# EAGLE board Mk4 Final a Panel score 2x5 (EAGLE 9.0.1), part 13 of 29
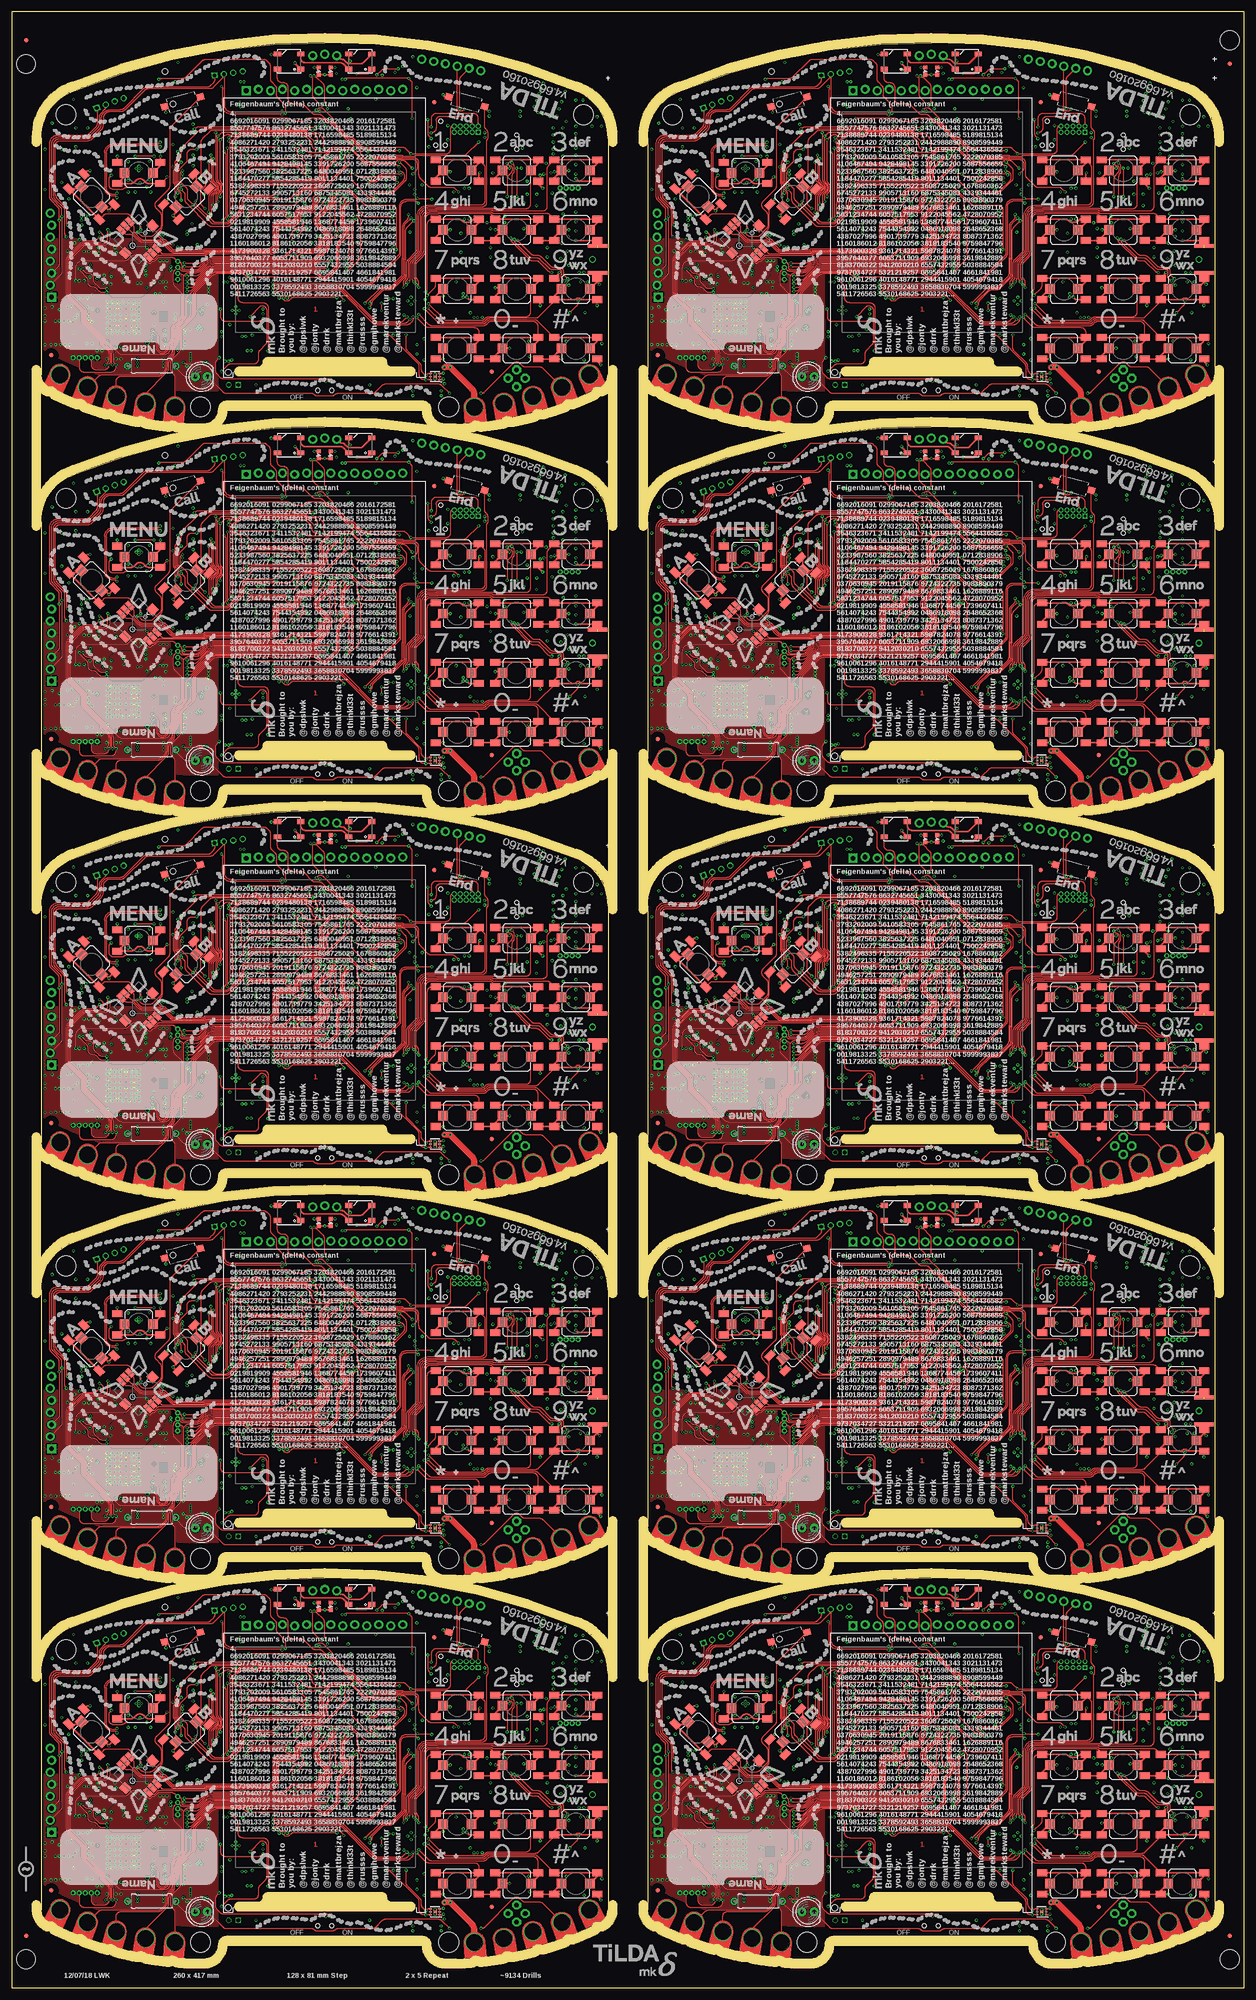
[diagram p0: board, top side]
## Tracks (layer width: path | path; a pad name or v marks a point on that pad's centre or on a via) (continued)
FLASH_!CS4  (via drill 0.3) (continued)
  Top 0.15: v19.75,180.5 20.23,180.98 arc45 20.52,181.69 20.52,182.73 arc45 20.23,183.44 18.9,184.78 arc-45 18.83,184.95 18.83,185.22 arc45 18.75,185.4 15.31,188.84 arc-45 14.8,190.07 14.8,191.29 arc45 14.51,191.99 12.01,194.49 arc-45 11.5,195.73 11.5,202.47 arc-45 12.01,203.71 14.46,206.16 arc-45 15.7,206.68 17.26,206.68 arc45 17.97,206.97 v18.5,207.5
  Bottom 0.15: JP42.3 15.48,180.5 arc90 16.48,179.5 18.34,179.5 arc45 19.04,179.79 v19.75,180.5 20.28,181.03 arc45 20.58,181.74 20.58,184.94 arc-45 20.63,185.08 20.72,185.16 arc45 20.77,185.3 20.77,185.66 20.75,185.68 IC83.14
  Bottom 0.2: R379.1 16.5,206.22 IC84.1 17.34,206.34 v18.5,207.5
FLASH_!CS5  (via drill 0.3)
  Top 0.15: v147.75,180.5 148.23,180.98 arc45 148.53,181.69 148.53,182.73 arc45 148.23,183.44 146.9,184.78 arc-45 146.82,184.95 146.82,185.22 arc45 146.75,185.4 143.31,188.84 arc-45 142.8,190.07 142.8,191.29 arc45 142.51,191.99 140.01,194.49 arc-45 139.5,195.73 139.5,202.47 arc-45 140.01,203.71 142.46,206.16 arc-45 143.7,206.68 145.26,206.68 arc45 145.97,206.97 v146.5,207.5
  Bottom 0.15: JP51.3 143.48,180.5 arc90 144.48,179.5 146.34,179.5 arc45 147.04,179.79 v147.75,180.5 148.28,181.03 arc45 148.57,181.74 148.57,184.94 arc-45 148.63,185.08 148.72,185.16 arc45 148.78,185.3 148.78,185.66 148.75,185.68 IC101.14
  Bottom 0.2: R457.1 144.5,206.22 IC102.1 145.34,206.34 v146.5,207.5
FLASH_!CS6  (via drill 0.3)
  Top 0.15: v19.75,261.5 20.23,261.98 arc45 20.52,262.69 20.52,263.73 arc45 20.23,264.44 18.9,265.77 arc-45 18.83,265.95 18.83,266.22 arc45 18.75,266.4 15.31,269.84 arc-45 14.8,271.07 14.8,272.29 arc45 14.51,272.99 12.01,275.49 arc-45 11.5,276.73 11.5,283.48 arc-45 12.01,284.71 14.46,287.16 arc-45 15.7,287.68 17.26,287.68 arc45 17.97,287.97 v18.5,288.5
  Bottom 0.15: JP60.3 15.48,261.5 arc90 16.48,260.5 18.34,260.5 arc45 19.04,260.79 v19.75,261.5 20.28,262.03 arc45 20.58,262.74 20.58,265.94 arc-45 20.63,266.08 20.72,266.16 arc45 20.77,266.3 20.77,266.66 20.75,266.68 IC119.14
  Bottom 0.2: R535.1 16.5,287.22 IC120.1 17.34,287.35 v18.5,288.5
FLASH_!CS7  (via drill 0.3)
  Top 0.15: v147.75,261.5 148.23,261.98 arc45 148.53,262.69 148.53,263.73 arc45 148.23,264.44 146.9,265.77 arc-45 146.82,265.95 146.82,266.22 arc45 146.75,266.4 143.31,269.84 arc-45 142.8,271.07 142.8,272.29 arc45 142.51,272.99 140.01,275.49 arc-45 139.5,276.73 139.5,283.48 arc-45 140.01,284.71 142.46,287.16 arc-45 143.7,287.68 145.26,287.68 arc45 145.97,287.97 v146.5,288.5
  Bottom 0.15: JP69.3 143.48,261.5 arc90 144.48,260.5 146.34,260.5 arc45 147.04,260.79 v147.75,261.5 148.28,262.03 arc45 148.57,262.74 148.57,265.94 arc-45 148.63,266.08 148.72,266.16 arc45 148.78,266.3 148.78,266.66 148.75,266.68 IC137.14
  Bottom 0.2: R613.1 144.5,287.22 IC138.1 145.34,287.35 v146.5,288.5
FLASH_!CS8  (via drill 0.3)
  Top 0.15: v19.75,342.5 20.23,342.98 arc45 20.52,343.69 20.52,344.73 arc45 20.23,345.44 18.9,346.77 arc-45 18.83,346.95 18.83,347.22 arc45 18.75,347.4 15.31,350.84 arc-45 14.8,352.07 14.8,353.29 arc45 14.51,353.99 12.01,356.49 arc-45 11.5,357.73 11.5,364.48 arc-45 12.01,365.71 14.46,368.16 arc-45 15.7,368.68 17.26,368.68 arc45 17.97,368.97 v18.5,369.5
  Bottom 0.15: JP78.3 15.48,342.5 arc90 16.48,341.5 18.34,341.5 arc45 19.04,341.79 v19.75,342.5 20.28,343.03 arc45 20.58,343.74 20.58,346.94 arc-45 20.63,347.08 20.72,347.16 arc45 20.77,347.3 20.77,347.66 20.75,347.68 IC155.14
  Bottom 0.2: R691.1 16.5,368.22 IC156.1 17.34,368.35 v18.5,369.5
FLASH_!CS9  (via drill 0.3)
  Top 0.15: v147.75,342.5 148.23,342.98 arc45 148.53,343.69 148.53,344.73 arc45 148.23,345.44 146.9,346.77 arc-45 146.82,346.95 146.82,347.22 arc45 146.75,347.4 143.31,350.84 arc-45 142.8,352.07 142.8,353.29 arc45 142.51,353.99 140.01,356.49 arc-45 139.5,357.73 139.5,364.48 arc-45 140.01,365.71 142.46,368.16 arc-45 143.7,368.68 145.26,368.68 arc45 145.97,368.97 v146.5,369.5
  Bottom 0.15: JP87.3 143.48,342.5 arc90 144.48,341.5 146.34,341.5 arc45 147.04,341.79 v147.75,342.5 148.28,343.03 arc45 148.57,343.74 148.57,346.94 arc-45 148.63,347.08 148.72,347.16 arc45 148.78,347.3 148.78,347.66 148.75,347.68 IC173.14
  Bottom 0.2: R769.1 144.5,368.22 IC174.1 145.34,368.35 v146.5,369.5
FLASH_!HOLD
  Bottom 0.2: R9.2 75.31,49.75 IC6.7
FLASH_!HOLD1
  Bottom 0.2: R93.2 203.31,49.75 IC22.7
FLASH_!HOLD2
  Bottom 0.2: R171.2 75.31,130.75 IC40.7
FLASH_!HOLD3
  Bottom 0.2: R249.2 203.31,130.75 IC58.7
FLASH_!HOLD4
  Bottom 0.2: R327.2 75.31,211.75 IC76.7
FLASH_!HOLD5
  Bottom 0.2: R405.2 203.31,211.75 IC94.7
FLASH_!HOLD6
  Bottom 0.2: R483.2 75.31,292.75 IC112.7
FLASH_!HOLD7
  Bottom 0.2: R561.2 203.31,292.75 IC130.7
FLASH_!HOLD8
  Bottom 0.2: R639.2 75.31,373.75 IC148.7
FLASH_!HOLD9
  Bottom 0.2: R717.2 203.31,373.75 IC166.7
FLASH_!WP
  Bottom 0.2: IC6.3 83.73,48.52 R10.2
FLASH_!WP1
  Bottom 0.2: IC22.3 211.74,48.52 R94.2
FLASH_!WP2
  Bottom 0.2: IC40.3 83.73,129.51 R172.2
FLASH_!WP3
  Bottom 0.2: IC58.3 211.74,129.51 R250.2
FLASH_!WP4
  Bottom 0.2: IC76.3 83.73,210.51 R328.2
FLASH_!WP5
  Bottom 0.2: IC94.3 211.74,210.51 R406.2
FLASH_!WP6
  Bottom 0.2: IC112.3 83.73,291.51 R484.2
FLASH_!WP7
  Bottom 0.2: IC130.3 211.74,291.51 R562.2
FLASH_!WP8
  Bottom 0.2: IC148.3 83.73,372.51 R640.2
FLASH_!WP9
  Bottom 0.2: IC166.3 211.74,372.51 R718.2
FLASH_CLK  (via drill 0.3)
  Top 0.15: v20.75,46.25 20.75,45.02 arc-90 19.5,43.77 15.76,43.77 arc45 15.05,43.48 12.69,41.12 arc45 12.4,40.41 12.4,33.81 arc45 12.69,33.11 15.49,30.31 arc-45 15.7,29.8 15.7,28.14 arc45 15.99,27.43 19.65,23.77 arc-45 19.73,23.59 19.73,23.32 arc45 19.8,23.15 20.96,21.98 arc-45 21.48,20.75 21.48,19.44 arc45 21.77,18.73 v22,18.5 22,18 arc-90 21,17 15.21,17 arc-90 14.21,18 JP1.4
  Bottom 0.15: IC15.11 22.25,23.84 arc-45 21.96,23.13 21.77,22.94 arc45 21.48,22.23 21.48,19.44 arc45 21.77,18.73 v22,18.5
  Bottom 0.2: IC14.6 21.8,46.88 arc45 21.09,46.59 v20.75,46.25
FLASH_CLK1  (via drill 0.3)
  Top 0.15: v148.75,46.25 148.75,45.02 arc-90 147.5,43.77 143.76,43.77 arc45 143.06,43.48 140.69,41.12 arc45 140.4,40.41 140.4,33.81 arc45 140.69,33.11 143.49,30.31 arc-45 143.7,29.8 143.7,28.14 arc45 143.99,27.43 147.65,23.77 arc-45 147.72,23.59 147.72,23.32 arc45 147.8,23.15 148.96,21.98 arc-45 149.47,20.75 149.47,19.44 arc45 149.77,18.73 v150,18.5 150,18 arc-90 149,17 143.21,17 arc-90 142.21,18 JP15.4
  Bottom 0.15: IC29.11 150.25,23.84 arc-45 149.96,23.13 149.77,22.94 arc45 149.47,22.23 149.47,19.44 arc45 149.77,18.73 v150,18.5
  Bottom 0.2: IC30.6 149.8,46.88 arc45 149.09,46.59 v148.75,46.25
FLASH_CLK2  (via drill 0.3)
  Top 0.15: v20.75,127.25 20.75,126.03 arc-90 19.5,124.78 15.76,124.78 arc45 15.05,124.48 12.69,122.12 arc45 12.4,121.41 12.4,114.81 arc45 12.69,114.11 15.49,111.31 arc-45 15.7,110.8 15.7,109.14 arc45 15.99,108.43 19.65,104.77 arc-45 19.73,104.59 19.73,104.33 arc45 19.8,104.15 20.96,102.98 arc-45 21.48,101.75 21.48,100.44 arc45 21.77,99.73 v22,99.5 22,99 arc-90 21,98 15.21,98 arc-90 14.21,99 JP24.4
  Bottom 0.15: IC47.11 22.25,104.84 arc-45 21.96,104.13 21.77,103.94 arc45 21.48,103.23 21.48,100.44 arc45 21.77,99.73 v22,99.5
  Bottom 0.2: IC48.6 21.8,127.89 arc45 21.09,127.59 v20.75,127.25
FLASH_CLK3  (via drill 0.3)
  Top 0.15: v148.75,127.25 148.75,126.03 arc-90 147.5,124.78 143.76,124.78 arc45 143.06,124.48 140.69,122.12 arc45 140.4,121.41 140.4,114.81 arc45 140.69,114.11 143.49,111.31 arc-45 143.7,110.8 143.7,109.14 arc45 143.99,108.43 147.65,104.77 arc-45 147.72,104.59 147.72,104.33 arc45 147.8,104.15 148.96,102.98 arc-45 149.47,101.75 149.47,100.44 arc45 149.77,99.73 v150,99.5 150,99 arc-90 149,98 143.21,98 arc-90 142.21,99 JP33.4
  Bottom 0.15: IC65.11 150.25,104.84 arc-45 149.96,104.13 149.77,103.94 arc45 149.47,103.23 149.47,100.44 arc45 149.77,99.73 v150,99.5
  Bottom 0.2: IC66.6 149.8,127.89 arc45 149.09,127.59 v148.75,127.25
FLASH_CLK4  (via drill 0.3)
  Top 0.15: v20.75,208.25 20.75,207.03 arc-90 19.5,205.78 15.76,205.78 arc45 15.05,205.48 12.69,203.12 arc45 12.4,202.41 12.4,195.81 arc45 12.69,195.11 15.49,192.31 arc-45 15.7,191.8 15.7,190.14 arc45 15.99,189.43 19.65,185.77 arc-45 19.73,185.59 19.73,185.32 arc45 19.8,185.15 20.96,183.98 arc-45 21.48,182.75 21.48,181.44 arc45 21.77,180.73 v22,180.5 22,180 arc-90 21,179 15.21,179 arc-90 14.21,180 JP42.4
  Bottom 0.15: IC83.11 22.25,185.84 arc-45 21.96,185.13 21.77,184.94 arc45 21.48,184.23 21.48,181.44 arc45 21.77,180.73 v22,180.5
  Bottom 0.2: IC84.6 21.8,208.88 arc45 21.09,208.59 v20.75,208.25
FLASH_CLK5  (via drill 0.3)
  Top 0.15: v148.75,208.25 148.75,207.03 arc-90 147.5,205.78 143.76,205.78 arc45 143.06,205.48 140.69,203.12 arc45 140.4,202.41 140.4,195.81 arc45 140.69,195.11 143.49,192.31 arc-45 143.7,191.8 143.7,190.14 arc45 143.99,189.43 147.65,185.77 arc-45 147.72,185.59 147.72,185.32 arc45 147.8,185.15 148.96,183.98 arc-45 149.47,182.75 149.47,181.44 arc45 149.77,180.73 v150,180.5 150,180 arc-90 149,179 143.21,179 arc-90 142.21,180 JP51.4
  Bottom 0.15: IC101.11 150.25,185.84 arc-45 149.96,185.13 149.77,184.94 arc45 149.47,184.23 149.47,181.44 arc45 149.77,180.73 v150,180.5
  Bottom 0.2: IC102.6 149.8,208.88 arc45 149.09,208.59 v148.75,208.25
FLASH_CLK6  (via drill 0.3)
  Top 0.15: v20.75,289.25 20.75,288.02 arc-90 19.5,286.77 15.76,286.77 arc45 15.05,286.48 12.69,284.12 arc45 12.4,283.41 12.4,276.81 arc45 12.69,276.11 15.49,273.31 arc-45 15.7,272.8 15.7,271.14 arc45 15.99,270.43 19.65,266.77 arc-45 19.73,266.59 19.73,266.32 arc45 19.8,266.15 20.96,264.98 arc-45 21.48,263.75 21.48,262.44 arc45 21.77,261.73 v22,261.5 22,261 arc-90 21,260 15.21,260 arc-90 14.21,261 JP60.4
  Bottom 0.15: IC119.11 22.25,266.84 arc-45 21.96,266.13 21.77,265.94 arc45 21.48,265.23 21.48,262.44 arc45 21.77,261.73 v22,261.5
  Bottom 0.2: IC120.6 21.8,289.88 arc45 21.09,289.59 v20.75,289.25
FLASH_CLK7  (via drill 0.3)
  Top 0.15: v148.75,289.25 148.75,288.02 arc-90 147.5,286.77 143.76,286.77 arc45 143.06,286.48 140.69,284.12 arc45 140.4,283.41 140.4,276.81 arc45 140.69,276.11 143.49,273.31 arc-45 143.7,272.8 143.7,271.14 arc45 143.99,270.43 147.65,266.77 arc-45 147.72,266.59 147.72,266.32 arc45 147.8,266.15 148.96,264.98 arc-45 149.47,263.75 149.47,262.44 arc45 149.77,261.73 v150,261.5 150,261 arc-90 149,260 143.21,260 arc-90 142.21,261 JP69.4
  Bottom 0.15: IC137.11 150.25,266.84 arc-45 149.96,266.13 149.77,265.94 arc45 149.47,265.23 149.47,262.44 arc45 149.77,261.73 v150,261.5
  Bottom 0.2: IC138.6 149.8,289.88 arc45 149.09,289.59 v148.75,289.25
FLASH_CLK8  (via drill 0.3)
  Top 0.15: v20.75,370.25 20.75,369.02 arc-90 19.5,367.77 15.76,367.77 arc45 15.05,367.48 12.69,365.12 arc45 12.4,364.41 12.4,357.81 arc45 12.69,357.11 15.49,354.31 arc-45 15.7,353.8 15.7,352.14 arc45 15.99,351.43 19.65,347.77 arc-45 19.73,347.59 19.73,347.32 arc45 19.8,347.15 20.96,345.98 arc-45 21.48,344.75 21.48,343.44 arc45 21.77,342.73 v22,342.5 22,342 arc-90 21,341 15.21,341 arc-90 14.21,342 JP78.4
  Bottom 0.15: IC155.11 22.25,347.84 arc-45 21.96,347.13 21.77,346.94 arc45 21.48,346.23 21.48,343.44 arc45 21.77,342.73 v22,342.5
  Bottom 0.2: IC156.6 21.8,370.88 arc45 21.09,370.59 v20.75,370.25
FLASH_CLK9  (via drill 0.3)
  Top 0.15: v148.75,370.25 148.75,369.02 arc-90 147.5,367.77 143.76,367.77 arc45 143.06,367.48 140.69,365.12 arc45 140.4,364.41 140.4,357.81 arc45 140.69,357.11 143.49,354.31 arc-45 143.7,353.8 143.7,352.14 arc45 143.99,351.43 147.65,347.77 arc-45 147.72,347.59 147.72,347.32 arc45 147.8,347.15 148.96,345.98 arc-45 149.47,344.75 149.47,343.44 arc45 149.77,342.73 v150,342.5 150,342 arc-90 149,341 143.21,341 arc-90 142.21,342 JP87.4
  Bottom 0.15: IC173.11 150.25,347.84 arc-45 149.96,347.13 149.77,346.94 arc45 149.47,346.23 149.47,343.44 arc45 149.77,342.73 v150,342.5
  Bottom 0.2: IC174.6 149.8,370.88 arc45 149.09,370.59 v148.75,370.25
FLASH_MISO  (via drill 0.3)
  Top 0.15: v18.5,46.5 arc-45 18.84,46.36 19.11,46.09 arc-45 19.4,45.39 19.4,45.38 arc-90 18.4,44.38 15.72,44.38 arc45 14.66,43.94 12.24,41.52 arc45 11.8,40.45 11.8,33.75 arc45 12.24,32.69 14.73,30.19 arc-45 15.1,29.31 15.1,28.1 arc45 15.54,27.04 19.05,23.52 arc-45 19.12,23.35 19.12,23.08 arc45 19.2,22.9 20.46,21.64 arc-45 20.83,20.76 20.83,19.24 arc-45 20.53,18.53 v20.5,18.5 arc-90 19.5,17.5 17.75,17.5 arc-90 16.75,18.5 JP1.2
  Bottom 0.15: 20.5,18.6 v20.5,18.5 20.5,18.71 arc-45 20.58,18.91 arc45 20.88,19.62 20.88,22.48 arc-45 21.17,23.19 arc45 21.25,23.39 IC15.13
  Bottom 0.2: IC14.2 17.2,45.62 arc45 17.91,45.91 v18.5,46.5
FLASH_MISO1  (via drill 0.3)
  Top 0.15: v146.5,46.5 arc-45 146.84,46.36 147.11,46.09 arc-45 147.4,45.39 147.4,45.38 arc-90 146.4,44.38 143.72,44.38 arc45 142.66,43.94 140.24,41.52 arc45 139.8,40.45 139.8,33.75 arc45 140.24,32.69 142.73,30.19 arc-45 143.1,29.31 143.1,28.1 arc45 143.54,27.04 147.05,23.52 arc-45 147.12,23.35 147.12,23.08 arc45 147.2,22.9 148.46,21.64 arc-45 148.82,20.76 148.82,19.24 arc-45 148.53,18.53 v148.5,18.5 arc-90 147.5,17.5 145.75,17.5 arc-90 144.75,18.5 JP15.2
  Bottom 0.15: 148.5,18.6 v148.5,18.5 148.5,18.71 arc-45 148.58,18.91 arc45 148.88,19.62 148.88,22.48 arc-45 149.17,23.19 arc45 149.25,23.39 IC29.13
  Bottom 0.2: IC30.2 145.2,45.62 arc45 145.91,45.91 v146.5,46.5
FLASH_MISO2  (via drill 0.3)
  Top 0.15: v18.5,127.5 arc-45 18.84,127.36 19.11,127.09 arc-45 19.4,126.39 19.4,126.38 arc-90 18.4,125.38 15.72,125.38 arc45 14.66,124.94 12.24,122.52 arc45 11.8,121.45 11.8,114.75 arc45 12.24,113.69 14.73,111.19 arc-45 15.1,110.31 15.1,109.1 arc45 15.54,108.03 19.05,104.52 arc-45 19.12,104.35 19.12,104.08 arc45 19.2,103.9 20.46,102.64 arc-45 20.83,101.75 20.83,100.24 arc-45 20.53,99.53 v20.5,99.5 arc-90 19.5,98.5 17.75,98.5 arc-90 16.75,99.5 JP24.2
  Bottom 0.15: 20.5,99.6 v20.5,99.5 20.5,99.71 arc-45 20.58,99.91 arc45 20.88,100.61 20.88,103.48 arc-45 21.17,104.19 arc45 21.25,104.39 IC47.13
  Bottom 0.2: IC48.2 17.2,126.61 arc45 17.91,126.91 v18.5,127.5
FLASH_MISO3  (via drill 0.3)
  Top 0.15: v146.5,127.5 arc-45 146.84,127.36 147.11,127.09 arc-45 147.4,126.39 147.4,126.38 arc-90 146.4,125.38 143.72,125.38 arc45 142.66,124.94 140.24,122.52 arc45 139.8,121.45 139.8,114.75 arc45 140.24,113.69 142.73,111.19 arc-45 143.1,110.31 143.1,109.1 arc45 143.54,108.03 147.05,104.52 arc-45 147.12,104.35 147.12,104.08 arc45 147.2,103.9 148.46,102.64 arc-45 148.82,101.75 148.82,100.24 arc-45 148.53,99.53 v148.5,99.5 arc-90 147.5,98.5 145.75,98.5 arc-90 144.75,99.5 JP33.2
  Bottom 0.15: 148.5,99.6 v148.5,99.5 148.5,99.71 arc-45 148.58,99.91 arc45 148.88,100.61 148.88,103.48 arc-45 149.17,104.19 arc45 149.25,104.39 IC65.13
  Bottom 0.2: IC66.2 145.2,126.61 arc45 145.91,126.91 v146.5,127.5
FLASH_MISO4  (via drill 0.3)
  Top 0.15: v18.5,208.5 arc-45 18.84,208.36 19.11,208.09 arc-45 19.4,207.39 19.4,207.38 arc-90 18.4,206.38 15.72,206.38 arc45 14.66,205.94 12.24,203.51 arc45 11.8,202.45 11.8,195.75 arc45 12.24,194.69 14.73,192.19 arc-45 15.1,191.31 15.1,190.1 arc45 15.54,189.03 19.05,185.52 arc-45 19.12,185.35 19.12,185.08 arc45 19.2,184.9 20.46,183.64 arc-45 20.83,182.75 20.83,181.24 arc-45 20.53,180.53 v20.5,180.5 arc-90 19.5,179.5 17.75,179.5 arc-90 16.75,180.5 JP42.2
  Bottom 0.15: 20.5,180.6 v20.5,180.5 20.5,180.71 arc-45 20.58,180.91 arc45 20.88,181.62 20.88,184.48 arc-45 21.17,185.19 arc45 21.25,185.39 IC83.13
  Bottom 0.2: IC84.2 17.2,207.62 arc45 17.91,207.91 v18.5,208.5
FLASH_MISO5  (via drill 0.3)
  Top 0.15: v146.5,208.5 arc-45 146.84,208.36 147.11,208.09 arc-45 147.4,207.39 147.4,207.38 arc-90 146.4,206.38 143.72,206.38 arc45 142.66,205.94 140.24,203.51 arc45 139.8,202.45 139.8,195.75 arc45 140.24,194.69 142.73,192.19 arc-45 143.1,191.31 143.1,190.1 arc45 143.54,189.03 147.05,185.52 arc-45 147.12,185.35 147.12,185.08 arc45 147.2,184.9 148.46,183.64 arc-45 148.82,182.75 148.82,181.24 arc-45 148.53,180.53 v148.5,180.5 arc-90 147.5,179.5 145.75,179.5 arc-90 144.75,180.5 JP51.2
  Bottom 0.15: 148.5,180.6 v148.5,180.5 148.5,180.71 arc-45 148.58,180.91 arc45 148.88,181.62 148.88,184.48 arc-45 149.17,185.19 arc45 149.25,185.39 IC101.13
  Bottom 0.2: IC102.2 145.2,207.62 arc45 145.91,207.91 v146.5,208.5
FLASH_MISO6  (via drill 0.3)
  Top 0.15: v18.5,289.5 arc-45 18.84,289.36 19.11,289.09 arc-45 19.4,288.39 19.4,288.38 arc-90 18.4,287.38 15.72,287.38 arc45 14.66,286.94 12.24,284.51 arc45 11.8,283.45 11.8,276.75 arc45 12.24,275.69 14.73,273.19 arc-45 15.1,272.31 15.1,271.1 arc45 15.54,270.04 19.05,266.52 arc-45 19.12,266.35 19.12,266.08 arc45 19.2,265.9 20.46,264.64 arc-45 20.83,263.75 20.83,262.24 arc-45 20.53,261.53 v20.5,261.5 arc-90 19.5,260.5 17.75,260.5 arc-90 16.75,261.5 JP60.2
  Bottom 0.15: 20.5,261.6 v20.5,261.5 20.5,261.71 arc-45 20.58,261.91 arc45 20.88,262.62 20.88,265.48 arc-45 21.17,266.19 arc45 21.25,266.39 IC119.13
  Bottom 0.2: IC120.2 17.2,288.62 arc45 17.91,288.91 v18.5,289.5
FLASH_MISO7  (via drill 0.3)
  Top 0.15: v146.5,289.5 arc-45 146.84,289.36 147.11,289.09 arc-45 147.4,288.39 147.4,288.38 arc-90 146.4,287.38 143.72,287.38 arc45 142.66,286.94 140.24,284.51 arc45 139.8,283.45 139.8,276.75 arc45 140.24,275.69 142.73,273.19 arc-45 143.1,272.31 143.1,271.1 arc45 143.54,270.04 147.05,266.52 arc-45 147.12,266.35 147.12,266.08 arc45 147.2,265.9 148.46,264.64 arc-45 148.82,263.75 148.82,262.24 arc-45 148.53,261.53 v148.5,261.5 arc-90 147.5,260.5 145.75,260.5 arc-90 144.75,261.5 JP69.2
  Bottom 0.15: 148.5,261.6 v148.5,261.5 148.5,261.71 arc-45 148.58,261.91 arc45 148.88,262.62 148.88,265.48 arc-45 149.17,266.19 arc45 149.25,266.39 IC137.13
  Bottom 0.2: IC138.2 145.2,288.62 arc45 145.91,288.91 v146.5,289.5
FLASH_MISO8  (via drill 0.3)
  Top 0.15: v18.5,370.5 arc-45 18.84,370.36 19.11,370.09 arc-45 19.4,369.39 19.4,369.38 arc-90 18.4,368.38 15.72,368.38 arc45 14.66,367.94 12.24,365.51 arc45 11.8,364.45 11.8,357.75 arc45 12.24,356.69 14.73,354.19 arc-45 15.1,353.31 15.1,352.1 arc45 15.54,351.04 19.05,347.52 arc-45 19.12,347.35 19.12,347.08 arc45 19.2,346.9 20.46,345.64 arc-45 20.83,344.75 20.83,343.24 arc-45 20.53,342.53 v20.5,342.5 arc-90 19.5,341.5 17.75,341.5 arc-90 16.75,342.5 JP78.2
  Bottom 0.15: 20.5,342.6 v20.5,342.5 20.5,342.71 arc-45 20.58,342.91 arc45 20.88,343.62 20.88,346.48 arc-45 21.17,347.19 arc45 21.25,347.39 IC155.13
  Bottom 0.2: IC156.2 17.2,369.62 arc45 17.91,369.91 v18.5,370.5
FLASH_MISO9  (via drill 0.3)
  Top 0.15: v146.5,370.5 arc-45 146.84,370.36 147.11,370.09 arc-45 147.4,369.39 147.4,369.38 arc-90 146.4,368.38 143.72,368.38 arc45 142.66,367.94 140.24,365.51 arc45 139.8,364.45 139.8,357.75 arc45 140.24,356.69 142.73,354.19 arc-45 143.1,353.31 143.1,352.1 arc45 143.54,351.04 147.05,347.52 arc-45 147.12,347.35 147.12,347.08 arc45 147.2,346.9 148.46,345.64 arc-45 148.82,344.75 148.82,343.24 arc-45 148.53,342.53 v148.5,342.5 arc-90 147.5,341.5 145.75,341.5 arc-90 144.75,342.5 JP87.2
  Bottom 0.15: 148.5,342.6 v148.5,342.5 148.5,342.71 arc-45 148.58,342.91 arc45 148.88,343.62 148.88,346.48 arc-45 149.17,347.19 arc45 149.25,347.39 IC173.13
  Bottom 0.2: IC174.2 145.2,369.62 arc45 145.91,369.91 v146.5,370.5
FLASH_MOSI  (via drill 0.3)
  Top 0.15: v21.25,18.5 arc-45 21.12,18.8 21.12,20.78 arc45 20.69,21.84 19.5,23.02 arc-45 19.42,23.2 19.42,23.47 arc45 19.35,23.65 15.77,27.23 arc-45 15.4,28.12 15.4,29.33 arc45 14.96,30.39 12.47,32.88 arc-45 12.1,33.77 12.1,40.43 arc-45 12.47,41.32 14.86,43.71 arc-45 15.74,44.08 19.2,44.08 arc90 20.2,45.08 20.2,46.95 v20.25,47
  Bottom 0.15: 21.17,18.57 v21.25,18.5 | JP1.5 12.94,19.56 15.21,17.29 arc45 15.91,17 20.02,17 arc90 21.02,18 21.02,18.21 arc-45 21.17,18.57 | IC15.12 21.75,23.75 arc-45 21.47,23.07 arc45 21.17,22.36 21.17,18.57
  Bottom 0.2: IC14.5 21.82,48.16 arc45 21.11,47.86 v20.25,47
FLASH_MOSI1  (via drill 0.3)
  Top 0.15: v149.25,18.5 arc-45 149.12,18.8 149.12,20.78 arc45 148.69,21.84 147.5,23.02 arc-45 147.43,23.2 147.43,23.47 arc45 147.35,23.65 143.77,27.23 arc-45 143.4,28.12 143.4,29.33 arc45 142.96,30.39 140.47,32.88 arc-45 140.1,33.77 140.1,40.43 arc-45 140.47,41.32 142.86,43.71 arc-45 143.74,44.08 147.2,44.08 arc90 148.2,45.08 148.2,46.95 v148.25,47
  Bottom 0.15: 149.18,18.57 v149.25,18.5 | JP15.5 140.94,19.56 143.21,17.29 arc45 143.91,17 148.03,17 arc90 149.03,18 149.03,18.21 arc-45 149.18,18.57 | IC29.12 149.75,23.75 arc-45 149.47,23.07 arc45 149.18,22.36 149.18,18.57
  Bottom 0.2: IC30.5 149.82,48.16 arc45 149.11,47.86 v148.25,47
FLASH_MOSI2  (via drill 0.3)
  Top 0.15: v21.25,99.5 arc-45 21.12,99.8 21.12,101.78 arc45 20.69,102.84 19.5,104.02 arc-45 19.42,104.2 19.42,104.47 arc45 19.35,104.65 15.77,108.23 arc-45 15.4,109.12 15.4,110.33 arc45 14.96,111.39 12.47,113.88 arc-45 12.1,114.77 12.1,121.43 arc-45 12.47,122.32 14.86,124.71 arc-45 15.74,125.08 19.2,125.08 arc90 20.2,126.08 20.2,127.95 v20.25,128
  Bottom 0.15: 21.17,99.58 v21.25,99.5 | JP24.5 12.94,100.56 15.21,98.29 arc45 15.91,98 20.02,98 arc90 21.02,99 21.02,99.21 arc-45 21.17,99.58 | IC47.12 21.75,104.75 arc-45 21.47,104.07 arc45 21.17,103.36 21.17,99.58
  Bottom 0.2: IC48.5 21.82,129.16 arc45 21.11,128.86 v20.25,128
FLASH_MOSI3  (via drill 0.3)
  Top 0.15: v149.25,99.5 arc-45 149.12,99.8 149.12,101.78 arc45 148.69,102.84 147.5,104.02 arc-45 147.43,104.2 147.43,104.47 arc45 147.35,104.65 143.77,108.23 arc-45 143.4,109.12 143.4,110.33 arc45 142.96,111.39 140.47,113.88 arc-45 140.1,114.77 140.1,121.43 arc-45 140.47,122.32 142.86,124.71 arc-45 143.74,125.08 147.2,125.08 arc90 148.2,126.08 148.2,127.95 v148.25,128
  Bottom 0.15: 149.18,99.58 v149.25,99.5 | JP33.5 140.94,100.56 143.21,98.29 arc45 143.91,98 148.03,98 arc90 149.03,99 149.03,99.21 arc-45 149.18,99.58 | IC65.12 149.75,104.75 arc-45 149.47,104.07 arc45 149.18,103.36 149.18,99.58
  Bottom 0.2: IC66.5 149.82,129.16 arc45 149.11,128.86 v148.25,128
FLASH_MOSI4  (via drill 0.3)
  Top 0.15: v21.25,180.5 arc-45 21.12,180.8 21.12,182.78 arc45 20.69,183.84 19.5,185.02 arc-45 19.42,185.2 19.42,185.47 arc45 19.35,185.65 15.77,189.23 arc-45 15.4,190.12 15.4,191.33 arc45 14.96,192.39 12.47,194.88 arc-45 12.1,195.77 12.1,202.43 arc-45 12.47,203.32 14.86,205.71 arc-45 15.74,206.07 19.2,206.07 arc90 20.2,207.07 20.2,208.95 v20.25,209
  Bottom 0.15: 21.17,180.57 v21.25,180.5 | JP42.5 12.94,181.56 15.21,179.29 arc45 15.91,179 20.02,179 arc90 21.02,180 21.02,180.21 arc-45 21.17,180.57 | IC83.12 21.75,185.75 arc-45 21.47,185.06 arc45 21.17,184.36 21.17,180.57
  Bottom 0.2: IC84.5 21.82,210.16 arc45 21.11,209.86 v20.25,209
FLASH_MOSI5  (via drill 0.3)
  Top 0.15: v149.25,180.5 arc-45 149.12,180.8 149.12,182.78 arc45 148.69,183.84 147.5,185.02 arc-45 147.43,185.2 147.43,185.47 arc45 147.35,185.65 143.77,189.23 arc-45 143.4,190.12 143.4,191.33 arc45 142.96,192.39 140.47,194.88 arc-45 140.1,195.77 140.1,202.43 arc-45 140.47,203.32 142.86,205.71 arc-45 143.74,206.07 147.2,206.07 arc90 148.2,207.07 148.2,208.95 v148.25,209
  Bottom 0.15: 149.18,180.57 v149.25,180.5 | JP51.5 140.94,181.56 143.21,179.29 arc45 143.91,179 148.03,179 arc90 149.03,180 149.03,180.21 arc-45 149.18,180.57 | IC101.12 149.75,185.75 arc-45 149.47,185.06 arc45 149.18,184.36 149.18,180.57
  Bottom 0.2: IC102.5 149.82,210.16 arc45 149.11,209.86 v148.25,209
FLASH_MOSI6  (via drill 0.3)
  Top 0.15: v21.25,261.5 arc-45 21.12,261.8 21.12,263.78 arc45 20.69,264.84 19.5,266.02 arc-45 19.42,266.2 19.42,266.47 arc45 19.35,266.65 15.77,270.23 arc-45 15.4,271.12 15.4,272.33 arc45 14.96,273.39 12.47,275.88 arc-45 12.1,276.77 12.1,283.43 arc-45 12.47,284.32 14.86,286.71 arc-45 15.74,287.07 19.2,287.07 arc90 20.2,288.07 20.2,289.95 v20.25,290
  Bottom 0.15: 21.17,261.57 v21.25,261.5 | JP60.5 12.94,262.56 15.21,260.29 arc45 15.91,260 20.02,260 arc90 21.02,261 21.02,261.21 arc-45 21.17,261.57 | IC119.12 21.75,266.75 arc-45 21.47,266.06 arc45 21.17,265.36 21.17,261.57
  Bottom 0.2: IC120.5 21.82,291.15 arc45 21.11,290.86 v20.25,290
FLASH_MOSI7  (via drill 0.3)
  Top 0.15: v149.25,261.5 arc-45 149.12,261.8 149.12,263.78 arc45 148.69,264.84 147.5,266.02 arc-45 147.43,266.2 147.43,266.47 arc45 147.35,266.65 143.77,270.23 arc-45 143.4,271.12 143.4,272.33 arc45 142.96,273.39 140.47,275.88 arc-45 140.1,276.77 140.1,283.43 arc-45 140.47,284.32 142.86,286.71 arc-45 143.74,287.07 147.2,287.07 arc90 148.2,288.07 148.2,289.95 v148.25,290
  Bottom 0.15: 149.18,261.57 v149.25,261.5 | JP69.5 140.94,262.56 143.21,260.29 arc45 143.91,260 148.03,260 arc90 149.03,261 149.03,261.21 arc-45 149.18,261.57 | IC137.12 149.75,266.75 arc-45 149.47,266.06 arc45 149.18,265.36 149.18,261.57
  Bottom 0.2: IC138.5 149.82,291.15 arc45 149.11,290.86 v148.25,290
FLASH_MOSI8  (via drill 0.3)
  Top 0.15: v21.25,342.5 arc-45 21.12,342.8 21.12,344.78 arc45 20.69,345.84 19.5,347.02 arc-45 19.42,347.2 19.42,347.47 arc45 19.35,347.65 15.77,351.23 arc-45 15.4,352.12 15.4,353.33 arc45 14.96,354.39 12.47,356.88 arc-45 12.1,357.77 12.1,364.43 arc-45 12.47,365.32 14.86,367.71 arc-45 15.74,368.07 19.2,368.07 arc90 20.2,369.07 20.2,370.95 v20.25,371
  Bottom 0.15: 21.17,342.57 v21.25,342.5 | JP78.5 12.94,343.56 15.21,341.29 arc45 15.91,341 20.02,341 arc90 21.02,342 21.02,342.21 arc-45 21.17,342.57 | IC155.12 21.75,347.75 arc-45 21.47,347.06 arc45 21.17,346.36 21.17,342.57